# KiCad board Partial_Drawer_Controller_v1_hotfix.kicad_pcb (continued)
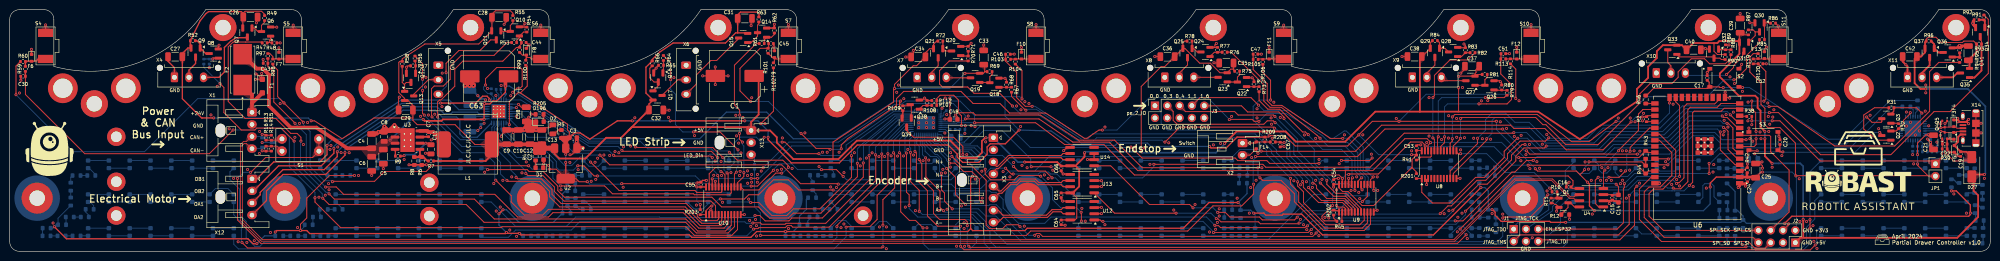
[diagram p0: board, top side]
## Routing (per net, layer and track width the routed paths; a pad name or vN(x,y) marks a point on that pad's centre or on a via; arc(x,y) is an arc through that point) (continued)
Net-(F8-A2): length 5.9
  Top w0.18: 106.6,40.1 106.6,40.2 106.62,40.22 F8.2 105.79,40.6 105.22,41.17 ; 106.6,40.1 106.6,39.9 106.49,39.79 R100.2 ; 106.6,40.1 107.4,40.1 107.7,39.8 S6.1
Net-(F9-A2): length 5.8
  Top w0.18: R101.2 156.51,40.99 157.4,40.1 F9.2 ; R102.2 157.8,39.2 F9.2 ; F9.2 158.1,39.8 S7.1
Net-(F10-A2): length 5.3
  Top w0.18: R103.2 206.58,39.77 R104.2 207.56,39.8 F10.2 S8.1
Net-(F11-A2): length 5.3
  Top w0.18: S9.1 257.72,39.8 R105.2
Net-(F12-A2): length 5.2
  Top w0.18: S10.1 R113.2
Net-(F13-A2): length 5.2
  Top w0.18: S11.1 359.81,39.8 R119.2
Net-(JP1-A): length 52.9
  Top w0.18: Q5.1 399.8,26.89 v1(399.36,26.45) ; v1(363.7,27) 365.3,27 373.6,18.7 396.8,18.7 JP1.1 398.8,19.5 v1(398.8,22.75) Q4.1 ; v1(359.5,27) R38.2
  Bottom w0.18: v1(359.5,27) v1(363.7,27) ; v1(398.8,22.75) 399.36,23.31 v1(399.36,26.45)
Net-(Q1-D): length 5.7
  Top w0.18: R12.2 320.18,7.67 321.57,9.08 Q1.3 322.05,10.05 322.9,9.2 U4.8
Net-(Q1-G): length 3.1
  Top w0.18: R11.1 319.69,11.01 Q1.1 319.31,11.39 R10.2
Net-(Q2-B): length 15
  Top w0.18: R31.2 384.8,29.7 382.6,28.2 382.6,25.3 385.5,23 Q2.1
Net-(Q3-B): length 1.6
  Top w0.18: R32.1 389.71,26.5 Q3.1
Net-(Q6-D): length 4.8
  Top w0.18: Q7.1 50.5,46.2 51.23,45.47 Q6.3 51.97,46.77 52.61,47.41 R49.2
Net-(Q6-G): length 2.5
  Top w0.18: 53.6,43.2 54.04,43.2 R48.1 ; 53.6,43.2 53.21,43.2 R47.2 ; 53.6,43.2 53.6,43.7 53.85,43.95 Q6.1 53.9,44.58
Net-(Q8-D): length 4.5
  Top w0.25: R52.2 38.62,43.58 39.31,42.89 39.31,42.06 40.45,40.92 Q8.3
Net-(Q8-G): length 3.1
  Top w0.25: Q8.1 42.07,39.97 v1(41.9,39.8)
  Bottom w0.25: R50.2 40.08,39.8 v1(41.9,39.8) ; 40.33,39.78 40.33,39.78
Net-(Q10-D): length 4.5
  Top w0.18: Q11.1 101.49,45.5 Q10.3 103.31,46.73 103.84,47.27 R55.2
Net-(Q10-G): length 3.6
  Top w0.18: R53.2 104.61,43.61 105.18,44.18 Q10.1 105.22,44.55 106.04,45.37 R54.1 106.81,45.48
Net-(Q12-D): length 7.2
  Top w0.18: 82.66,35.1 Q12.3 81.85,34.95 81.5,34.6 81.5,34.44 ; R58.2 81,34.94 81.5,34.44 ; 81.5,34.44 Q13.1
Net-(Q12-G): length 2.6
  Top w0.18: Q12.1 R57.1 83.76,39.26 R56.2
Net-(Q14-D): length 5.6
  Top w0.18: R63.2 154.6,47.09 154.32,46.81 Q14.3 154.32,44.52 153,43.19 Q15.1
Net-(Q14-G): length 3.7
  Top w0.18: R61.2 155.71,43.8 Q14.1 157.2,44.29 157.8,44.89 R62.1 157.88,45.1
Net-(Q16-D): length 7.1
  Top w0.18: R66.2 132.1,37.88 132.1,35.9 132.97,35.02 Q16.3 133.85,34.3 Q17.1
Net-(Q16-G): length 2.7
  Top w0.18: Q16.1 134.92,37.02 R65.1 134.92,39.48 R64.2
Net-(Q18-D): length 4.6
  Top w0.18: R69.2 202.72,36.62 202.26,36.16 Q18.3 202.2,34.95 Q19.1
Net-(Q18-G): length 2.6
  Top w0.18: R67.2 206.73,33.94 Q18.1
Net-(Q20-D): length 3.6
  Top w0.18: Q20.3 193.03,41.45 Q21.1 192.57,41.95 R72.2
Net-(Q20-G): length 2.6
  Top w0.18: R71.1 R70.2 196.34,40.41 Q20.1
Net-(Q22-D): length 4.6
  Top w0.18: Q23.1 251.27,35.02 Q22.3 253.35,36.05 253.81,36.51 R75.2
Net-(Q22-G): length 2.6
  Top w0.18: 255.23,34.08 255.24,34.06 R73.2
Net-(Q24-D): length 3.7
  Top w0.18: R78.2 244,43.48 Q25.1 244.34,41.96 245.05,41.25 Q24.3
Net-(Q24-G): length 2.9
  Top w0.18: R76.2 249.27,41.2 R77.1 248.58,41.18 Q24.1
Net-(Q26-D): length 4.5
  Top w0.18: Q27.1 Q26.3 304.43,35.52 304.9,36 R81.2
Net-(Q26-G): length 2.7
  Top w0.18: Q26.1 306.38,33.32 R79.2
Net-(Q28-D): length 4
  Top w0.18: R84.2 295.05,43.17 Q29.1 296.18,42 Q28.3
Net-(Q28-G): length 2.9
  Top w0.18: R82.2 R83.1 299.6,40.3 Q28.1
Net-(Q30-D): length 5.2
  Top w0.18: R87.2 359.79,45.81 360.2,45.4 ; 360.2,45.4 360.2,44.62 Q31.1 ; 360.2,45.4 Q30.3
Net-(Q30-G): length 4.9
  Top w0.18: R86.1 363.31,47.27 Q30.1 362.11,47.22 R85.2
Net-(Q32-D): length 10.4
  Top w0.18: Q33.1 344.56,40.23 351.7,40.23 351.96,39.96 352.94,39.96 353.21,39.69 R90.2
Net-(Q32-G): length 2.6
  Top w0.18: 355.1,41.71 353.04,41.71 352.65,42.1
Net-(Q34-D): length 10.2
  Top w0.18: Q34.3 406.64,43.76 406.91,43.49 R93.2
  Top w0.35: R93.2 406.9,42.89 406.9,37.4 405.45,35.95 Q35.1
Net-(Q34-G): length 2.7
  Top w0.35: Q34.1 407.59,47.69 407.38,47.9 R92.1
Net-(Q36-D): length 4
  Top w0.35: R96.2 396.51,43.49 397.15,42.85 Q37.1 397.93,41.2 398,41.2 398.05,41.15 Q36.3
Net-(Q36-G): length 2.5
  Top w0.35: R95.1 R94.2 402.32,40.2 Q36.1
Net-(Q38-D): length 4.5
  Top w0.18: Q39.1 186.05,30.12 Q38.3 185.59,30.11 R109.2
Net-(Q38-G): length 2.9
  Top w0.18: R107.2 189.31,30.2 R108.1 188.49,30.19 Q38.1
Net-(R13-Pad2): length 3.4
  Top w0.153: R13.2 55.92,23 S1.1
Net-(R14-Pad1): length 3.7
  Top w0.153: S1.2 55.16,21.76 R16.1
Net-(R17-Pad2): length 1.6
  Bottom w0.18: R17.2 11.62,7.05 R18.1
Net-(R18-Pad2): length 1.4
  Bottom w0.18: R18.2 R19.1
Net-(R19-Pad2): length 1.9
  Bottom w0.18: R19.2 16.33,7.48 15.67,8.12 R20.1
Net-(R21-Pad2): length 1.4
  Bottom w0.18: R21.2 R22.1
Net-(R22-Pad2): length 1.6
  Bottom w0.18: R22.2 12.6,15.31 R23.1
Net-(R23-Pad2): length 1.4
  Bottom w0.18: R24.1 14.62,15.69 R23.2
Net-(R25-Pad2): length 1.5
  Bottom w0.18: R26.1 R25.2
Net-(R26-Pad2): length 1.4
  Bottom w0.18: R27.1 R26.2
Net-(R27-Pad2): length 1.5
  Bottom w0.18: R28.1 R27.2
Net-(R33-Pad2): length 1
  Bottom w0.18: R34.1 R33.2
Net-(R35-Pad2): length 1
  Bottom w0.18: R35.2 R36.1
Net-(R110-Pad2): length 1
  Bottom w0.18: R111.1 R110.2 195.1,25.19
Net-(R115-Pad2): length 1.6
  Bottom w0.18: R115.2 6.77,4.78 R116.1
Net-(R116-Pad2): length 1.4
  Bottom w0.18: R117.1 R116.2
Net-(R117-Pad2): length 1.5
  Bottom w0.18: 12.98,3.2 R117.2
Net-(R121-Pad2): length 1.6
  Bottom w0.18: R122.1 62.58,5.55 R121.2
Net-(R122-Pad2): length 1.7
  Bottom w0.18: 64.22,7.1 64.22,7.48 63.99,7.71 R123.1
Net-(R123-Pad2): length 1.4
  Bottom w0.18: R123.2 65.65,8.69 R124.1 67.04,8.68
Net-(R125-Pad2): length 1.4
  Bottom w0.18: R125.2 68.64,15.7 R126.1
Net-(R126-Pad2): length 2.3
  Bottom w0.18: R127.1 64.1,16.9 65.3,15.7 R126.2
Net-(R127-Pad2): length 1.6
  Bottom w0.18: R128.1 64.12,18.83 R127.2
Net-(R129-Pad2): length 1.4
  Bottom w0.25: R129.2 R130.1
Net-(R130-Pad2): length 1.4
  Bottom w0.25: 110.68,3.2 R131.1
Net-(R131-Pad2): length 1.4
  Bottom w0.25: R131.2 R132.1
Net-(R133-Pad2): length 1.7
  Bottom w0.25: R134.1 115.1,9.2 115.72,8.58 R133.2
Net-(R134-Pad2): length 1.6
  Bottom w0.25: 116.7,11.02 115.1,11.02
Net-(R135-Pad2): length 1.9
  Bottom w0.25: R136.1 117.6,8.7 116.93,9.38 116.7,9.38
Net-(R137-Pad2): length 1.5
  Bottom w0.25: R137.2 116.71,12.53 R138.1
Net-(R138-Pad2): length 1.7
  Bottom w0.25: R138.2 114.99,14.13 114.99,15.65 R139.1
Net-(R139-Pad2): length 1.1
  Bottom w0.25: 117.78,15.7 R139.2
Net-(R141-Pad2): length 1.4
  Bottom w0.18: R141.2 R142.1
Net-(R142-Pad2): length 1.5
  Bottom w0.18: R143.1 166.28,3.2 R142.2
Net-(R143-Pad2): length 1.6
  Bottom w0.18: R143.2 R144.1
Net-(R145-Pad2): length 1.8
  Bottom w0.18: R145.2 164.62,6.02 164.7,6.1 164.7,6.3 165.05,6.65 R146.1 165.03,7.08
Net-(R146-Pad2): length 1.8
  Bottom w0.18: R147.1 166.13,8.12 166.7,7.55 R146.2
Net-(R147-Pad2): length 1.4
  Bottom w0.18: R147.2 R148.1
Net-(R149-Pad2): length 1.8
  Bottom w0.18: R150.1 165.7,12.6 166.4,11.9 R149.2
Net-(R150-Pad2): length 1.7
  Bottom w0.18: 165.3,15.8 165.3,15.05 165.7,14.65 R150.2
Net-(R151-Pad2): length 1.7
  Bottom w0.18: 166.95,15.8 166.88,15.8 R151.2 166.85,15.7 R152.1
Net-(R153-Pad2): length 1.6
  Bottom w0.18: R154.1 R153.2
Net-(R154-Pad2): length 1.6
  Bottom w0.18: R154.2 255.37,4.86 R155.1
Net-(R155-Pad2): length 1.6
  Bottom w0.18: R155.2 253.8,3.2 R156.1
Net-(R157-Pad2): length 1.6
  Bottom w0.18: 252.45,7 253.88,7 R157.2
Net-(R158-Pad2): length 1.6
  Bottom w0.18: R159.1 250.64,8.59 R158.2
Net-(R159-Pad2): length 1.6
  Bottom w0.18: R160.1 252.27,10.05 R159.2
Net-(R161-Pad2): length 1.6
  Bottom w0.18: R161.2 253.75,14.17 R162.1
Net-(R162-Pad2): length 1.6
  Bottom w0.18: R162.2 255.45,15.75 R163.1
Net-(R163-Pad2): length 1.7
  Bottom w0.18: 252.21,17.16 253.65,17.16 R163.2
Net-(R165-Pad2): length 1.4
  Bottom w0.18: R166.1 306.7,6.98
Net-(R166-Pad2): length 2.1
  Bottom w0.18: R167.1 305.48,4.83 306.35,3.95 R166.2
Net-(R167-Pad2): length 1.7
  Bottom w0.18: R168.1 304.99,3.17 R167.2
Net-(R169-Pad2): length 1.8
  Bottom w0.18: 305.12,6.98 305.06,7.04 303.36,7.04
Net-(R170-Pad2): length 1.6
  Bottom w0.18: R171.1 301.71,8.59 301.71,7.05 R170.2
Net-(R171-Pad2): length 1.6
  Bottom w0.18: R172.1 303.26,8.7 R171.2
Net-(R173-Pad2): length 1.7
  Bottom w0.18: R174.1 303.39,15.64 303.29,15.74 303.32,15.77 303.34,15.77
Net-(R174-Pad2): length 1.7
  Bottom w0.18: R175.1 R174.2
Net-(R175-Pad2): length 1.6
  Bottom w0.18: R175.2 304.74,17.16 R176.1
Net-(R177-Pad2): length 1.7
  Bottom w0.18: R178.1 R177.2
Net-(R178-Pad2): length 1.5
  Bottom w0.18: R178.2 356.1,3.15 356.1,1.7
Net-(R179-Pad2): length 1.5
  Bottom w0.18: 354.45,1.7 354.4,1.75 R180.1
Net-(R181-Pad2): length 1.6
  Bottom w0.25: R182.1 355.92,6.88 R181.2
Net-(R182-Pad2): length 1.7
  Bottom w0.25: R183.1 R182.2
Net-(R183-Pad2): length 1.7
  Bottom w0.25: R183.2 354.52,8.6 354.52,10.18
Net-(R185-Pad2): length 1.6
  Bottom w0.18: R185.2 354.59,15.52 R186.1
Net-(R186-Pad2): length 1.7
  Bottom w0.18: R187.1 357.57,15.52 357.57,15.52
Net-(R187-Pad2): length 1.5
  Bottom w0.18: R188.1 R187.2
Net-(R189-Pad2): length 1.6
  Bottom w0.25: R190.1 407.35,4.97 R189.2
Net-(R190-Pad2): length 1.6
  Bottom w0.25: R190.2 407.23,1.8 R191.1
Net-(R191-Pad2): length 1.6
  Bottom w0.25: 405.58,3.2 405.58,1.8 R191.2
Net-(R193-Pad2): length 1.7
  Bottom w0.25: R194.1 406.76,9.04 406.25,9.55 R193.2
Net-(R194-Pad2): length 1.4
  Bottom w0.25: R195.1 R194.2
Net-(R195-Pad2): length 1.7
  Bottom w0.25: R196.1 407.1,13.74 R195.2
Net-(R197-Pad2): length 1.9
  Bottom w0.25: R197.2 401.1,14.9 401.85,14.15 R198.1
Net-(R198-Pad2): length 1.5
  Bottom w0.25: R198.2 403.68,15.8 R199.1
Net-(R199-Pad2): length 1.5
  Bottom w0.25: R200.1 405.43,17.1 R199.2
Net-(U3-BOOT): length 1.8
  Top w0.35: U3.7 84.71,23.7 C7.1
Net-(U5-VBUS): length 2.5
  Bottom w0.18: U5.8 394.68,22.52 R35.1 394.68,20.62 R34.2
Net-(U5-~{RST}): length 1.3
  Bottom w0.18: R37.1 393.75,21.77 U5.9
Net-(U5-~{SUSPEND}): length 1.3
  Bottom w0.18: R40.1 392.75,21.77 U5.11
Net-(U7-IREF): length 2.2
  Bottom w0.18: U7.44 193.69,25.6 R110.1
Net-(U7-VCAP): length 3
  Bottom w0.18: 193.9,23.6 193.9,24.4 193.1,25.2 U7.45
Net-(U11-5VOUT): length 3.6
  Top w0.18: v1(105,30.4) 105.58,29.82 C58.1
  Bottom w0.18: U11.8 104.95,30.45 v1(105,30.4)
Net-(U11-CPI): length 2.2
  Bottom w0.18: C57.1 101.36,32.84 101.44,32.76 U11.5
Net-(U11-CPO): length 2.4
  Bottom w0.18: C57.2 100.4,33.01 100.94,32.47 U11.4

## Copper pours and planes (outline as drawn; the poured copper is in the pictures)
+24V on Top: 75.5,19.7 77,20.6 77.9,21.6 78.7,22.2 80.2,22.2 80.2,23.9 78.7,23.9 77.8,23.2 76.6,23.1 75.3,21.8 74,21.8 72.5,21 73.9,19.2
GND on In1.Cu: 0,50 0,0 409,0 409,50
GND on In2.Cu: 0,50 0,0 409,0 409,50

Small or netless copper shapes (teardrops, artwork), in the pictures only: 1306 on Top, 1097 on Bottom

## Text on the board
F.Silkscreen: GND | CAN+ | CAN- | +24V | OA2 | OA1 | OB2 | OB1 | LED_Din | +5V | N- | B+ | B- | A+ | A- | N+ | pe_2_IO | 0_0 | 0_3 | 0_4 | Switch | 1_1 | 1_6 | JTAG_TDO | JTAG_TMS | JTAG_TCK | EN_ESP32 | JTAG_TDI | SPI_SCK | SPI_SO | SPI_CS | SPI_SI | +3V3 | April 2024 / Partial Drawer Controller v1.0 | JLCJLCJLCJLC | Electrical Motor | LED Strip | Encoder | Endstop | Power / & CAN / Bus Input | ↓
